# Allegro board 1103400-C000PC024-HI3521DV200-CORE-A01-pcb166.brd (continued)
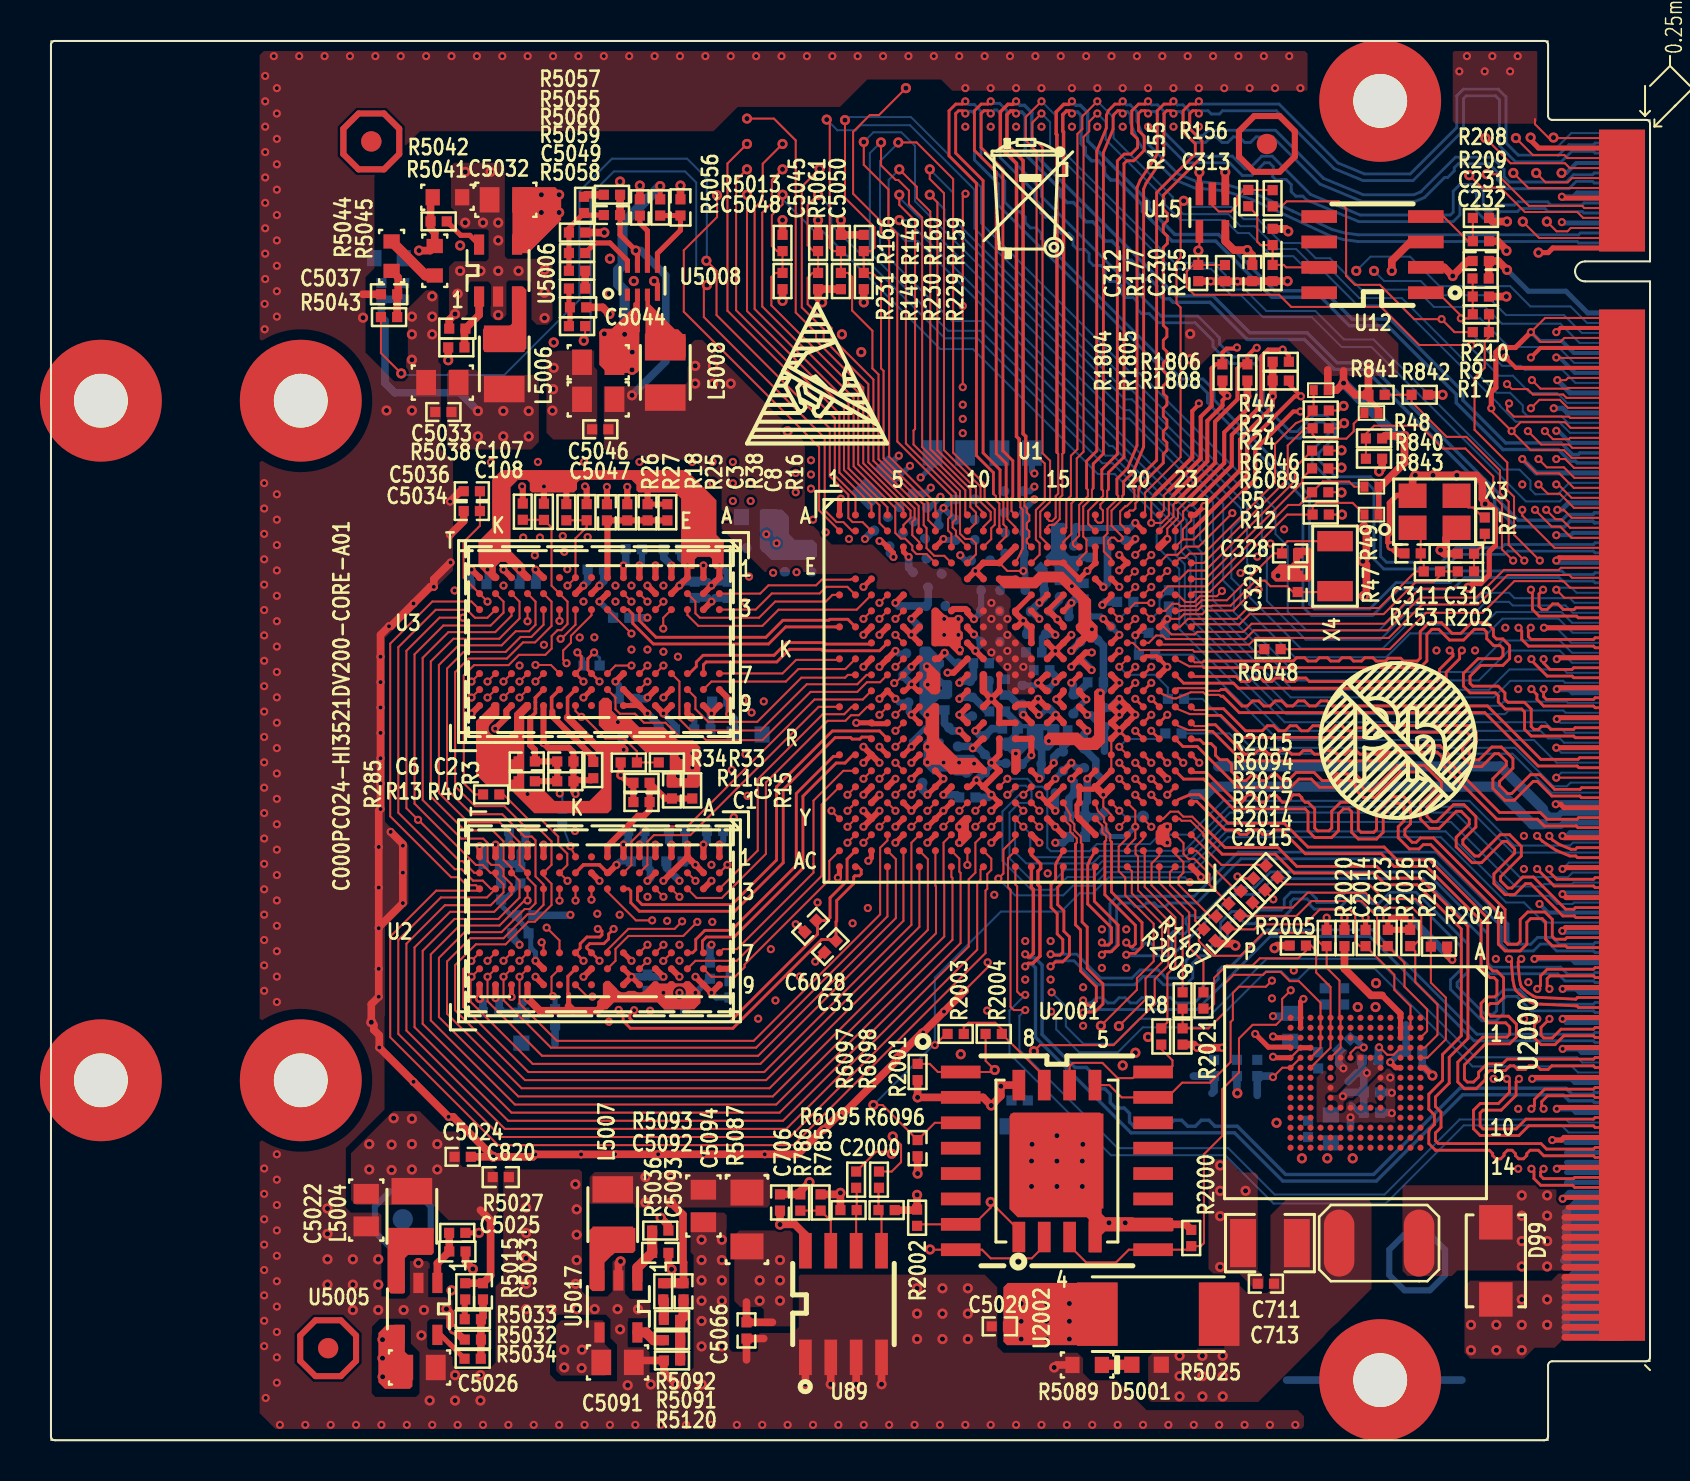
[diagram p0: board, top side]
## Routing (per net, layer and track width the routed paths; a pad name or vN(x,y) marks a point on that pad's centre or on a via; arc(x,y) is an arc through that point) (continued)
USB2_2_OVRCUR: length 56.1
  TOP w0.102: v1(52.35,66.99) 51.6,66.24 51.6,65.6 51.35,65.36 51.35,49.59 51.03,49.26 51.03,47.25 50.8,47.02 50.8,45.64 U1.B15
  BOTTOM w0.102: U102.47 75.91,50.9 75.58,51.23 73.88,51.23 73.63,51.47 73.63,51.77 73,52.41 72.32,52.41 67.58,57.15 65.46,57.15 63.86,58.74 63.15,58.74 62.29,59.6 61.38,59.6 60.24,60.74 59.51,60.74 58.91,61.34 56.65,61.34 56.12,61.87 56.12,62.2 53.16,65.16 53.16,66.18 v1(52.35,66.99)
USB2_2_PWREN: length 56
  TOP w0.102: v1(52.35,66.38) 51.94,65.97 51.94,65.49 51.66,65.21 51.66,49.46 51.32,49.12 51.32,47.14 51.05,46.87 51.05,45.35 50.65,44.94 U1.C15
  BOTTOM w0.102: U102.49 76,50.4 75.44,50.96 73.28,50.96 72.49,51.75 72.49,51.78 67.5,56.78 65.38,56.78 63.77,58.39 63,58.39 62.15,59.24 61.09,59.24 59.93,60.4 59.38,60.4 58.72,61.05 56.51,61.05 55.73,61.83 55.73,62.11 52.77,65.07 52.77,65.96 v1(52.35,66.38)
VDAC_REXT: length 1.7
  TOP w0.102: U1.G18 v1(53.45,41.09)
  BOTTOM w0.102: R834.1 54.15,41.8 v1(53.45,41.09)
VGA_B: length 30.8
  TOP w0.102: U1.B22 56.25,45.67 56.64,46.06 56.64,46.47 56.95,46.77 57.07,46.77 57.15,46.84
  TOP w0.203: R1806.1 61.93,54.26 v1(61.62,54.57) 60.9,54.57 60.55,54.23 60.55,51.77 59.08,50.3 59.08,48.77 57.15,46.84 ; U102.36 73.29,53.65 v1(72.77,54.17)
  ART03 w0.203: v1(72.77,54.17) 72.65,54.29 70.03,54.29 68.69,55.63 62.68,55.63 v1(61.62,54.57)
VGA_G: length 32.2
  TOP w0.102: 56.29,46.94 56.16,46.82 56.16,46.21 55.45,45.5 U1.B21
  TOP w0.203: 56.29,46.94 58.24,48.9 58.24,50.96 59.36,52.08 59.36,53.63 59.56,53.83 R1805.1 59.85,54.25 60.26,54.66 v1(60.32,54.66) ; v1(74.04,54.17) 74.52,54.65 U102.32
  ART03 w0.203: v1(74.04,54.17) 74.04,54.49 73.53,55 73.53,55.29 72.95,55.87 71.4,55.87 70.71,56.57 61.94,56.57 60.73,55.36 60.73,55.18 60.32,54.77 v1(60.32,54.66)
VGA_HS: length 31.7
  TOP w0.102: U102.42 75.82,52.15 75.65,52.32 74.14,52.32 73.87,52.59 73.09,52.59 v1(72.85,52.84) ; U1.E20 v1(55.05,43.49)
  ART03 w0.102: v1(55.05,43.49) 55.16,43.49 55.68,44.02 56.66,44.02 58.57,45.93 58.57,46.64 61.65,49.72 61.65,52.49 63.63,54.47 68.25,54.47 69.8,52.92 72.77,52.92 v1(72.85,52.84)
VGA_R: length 32.4
  TOP w0.102: 55.95,47.54 55.68,47.27 55.68,46.52 U1.A21
  TOP w0.203: v1(75.31,55.44) 75.52,55.65 U102.28 ; 55.95,47.54 57.52,49.12 57.52,51.21 58.06,51.75 58.06,53.63 58.27,53.83 R1804.1 58.61,54.42 58.81,54.62 59.28,54.62 v1(59.33,54.67)
  ART03 w0.203: v1(75.31,55.44) 73.05,57.7 72.1,57.7 71.9,57.51 61.51,57.51 59.38,55.38 59.38,54.72 v1(59.33,54.67)
VGA_VS: length 32.7
  TOP w0.102: v1(74.09,53.04) 74.52,52.61 75.87,52.61 75.91,52.65 U102.40 ; U1.E19 v1(54.22,43.47)
  ART03 w0.102: v1(54.22,43.47) 54.65,43.9 55.21,43.9 55.82,44.51 56.49,44.51 58.14,46.16 58.14,46.69 60.71,49.26 60.71,52.46 61.49,53.25 61.8,53.25 63.37,54.82 68.33,54.82 69.85,53.3 73.38,53.3 73.64,53.04 v1(74.09,53.04)
VI2_CLK: length 35.8
  TOP w0.142: U102.152 75.87,24.65 75.78,24.73 75.11,24.73 74.78,25.07 74.78,25.92 74.6,26.1 74.02,26.1 73.84,25.91 73.84,24.82 73.5,24.48 72.75,24.48 72.41,24.82 72.41,26.41 69.03,29.8 68.66,29.8 68.44,29.58 67.96,29.58 67.4,30.14 67.4,30.69 67.69,30.98 67.69,31.72 67.55,31.86 67.23,31.86 66.65,31.29 66.65,30.42 66.31,30.08 65.41,30.08 65.07,30.42 65.07,31.44 64.93,31.59 64.66,31.59 64.41,31.34 64.41,30.49 64.07,30.16 63.23,30.16 62.89,30.49 62.89,31.44 62.75,31.59 59.16,31.59 57.67,33.08 56.66,33.08 U1.U22
VI2_DATA3: length 36.1
  TOP w0.142: U1.R23 57.1,35.04 57.49,35.04 57.68,34.85 58.04,34.85 58.26,34.63 58.26,34.27 58.48,34.05 58.85,34.05 59.07,33.83 59.07,33.46 59.53,33 59.79,33 60.06,33.27 60.26,33.27 60.53,33 60.78,33 61.1,33.32 61.3,33.32 61.62,33 61.89,33 62.3,33.41 63.19,33.41 63.6,33 64.01,33 64.34,33.34 65.25,33.34 65.58,33 65.58,32.7 65.79,32.5 66.1,32.5 67.38,33.77 68.72,33.77 69.56,32.92 69.56,32.4 68.84,31.68 68.84,31.22 69.11,30.95 69.31,30.95 70.17,31.8 70.69,31.8 71.29,31.2 71.29,30.68 70.64,30.03 70.64,29.83 71.23,29.23 71.44,29.23 72.5,30.3 72.98,30.3 73.56,29.71 73.56,29.23 72.52,28.2 72.52,27.99 72.89,27.63 73.09,27.63 73.64,28.18 74.17,28.18 75.78,26.57 76.19,26.57 76.27,26.65 U102.144
VI2_DATA4: length 36.2
  TOP w0.142: U102.146 76.3,26.15 76.21,26.23 75.64,26.23 74.03,27.85 73.77,27.85 73.22,27.3 72.75,27.3 72.19,27.86 72.19,28.33 73.23,29.37 73.23,29.57 72.84,29.96 72.64,29.96 71.57,28.9 71.1,28.9 70.3,29.69 70.3,30.17 70.95,30.82 70.95,31.07 70.55,31.47 70.31,31.47 69.45,30.61 68.98,30.61 68.51,31.08 68.51,31.82 69.23,32.54 69.23,32.78 68.58,33.44 67.51,33.44 66.24,32.16 65.65,32.16 65.25,32.56 65.25,32.86 65.11,33 64.48,33 64.15,32.67 63.46,32.67 63.05,33.08 62.43,33.08 62.02,32.67 59.39,32.67 57.35,34.71 56.63,34.71 U1.R22
VI2_DATA7: length 35.9
  TOP w0.142: U1.U23 57.13,33.41 57.81,33.41 59.3,31.92 59.57,31.92 59.74,32.09 59.74,32.15 59.88,32.29 60.16,32.29 60.3,32.15 60.3,32.09 60.47,31.92 60.71,31.92 60.87,32.09 60.87,32.12 61.02,32.27 61.3,32.27 61.44,32.12 61.44,32.09 61.61,31.92 61.85,31.92 62.01,32.09 62.01,32.15 62.15,32.29 62.44,32.29 62.58,32.15 62.58,32.09 62.75,31.92 62.89,31.92 63.22,31.58 63.22,30.63 63.37,30.49 63.94,30.49 64.08,30.63 64.08,31.47 64.52,31.92 65.07,31.92 65.4,31.58 65.4,30.55 65.55,30.41 66.18,30.41 66.32,30.55 66.32,31.42 67.09,32.19 67.68,32.19 68.02,31.86 68.02,30.84 67.73,30.56 67.73,30.28 68.1,29.92 68.3,29.92 68.52,30.13 69.16,30.13 72.75,26.55 72.75,24.96 72.89,24.82 73.36,24.82 73.5,24.96 73.5,26.05 73.88,26.43 74.74,26.43 75.11,26.06 75.11,25.21 75.25,25.07 75.76,25.07 75.84,25.15 U102.150
VI3_CLK: length 39.3
  TOP w0.142: v1(74.68,13.58) 74.53,13.43 74.53,13.23 74.67,13.09 76.17,13.09 76.23,13.15 U102.198 ; v1(54.25,33.09) U1.V20
  ART03 w0.102: v1(54.25,33.09) 53.97,32.81 53.97,32.57 53.82,32.42 53.82,32.02 54.48,31.35 56.46,31.35 56.69,31.12 57.42,31.12 57.48,31.18 57.51,31.18
  ART03 w0.114: v1(74.68,13.58) 74.55,13.71 74.55,13.95 73.89,14.61 73.15,14.61 72.96,14.8 72.96,15.11 72.79,15.28 72.48,15.28 72.31,15.45 72.31,15.76 72.14,15.93 71.83,15.93 70.59,17.17 70.59,19.46 67.41,22.64 67.41,24.65 67.6,24.84 67.6,26.46 66.92,27.14 62.48,27.14 60.07,29.55 59.51,29.55 57.87,31.18 57.51,31.18
VI3_DATA0: length 39.3
  TOP w0.142: U1.V19 v1(53.45,33.09) ; v1(74.07,13.58) 74.19,13.45 74.19,13.09 74.53,12.76 76.12,12.76 76.23,12.65 U102.200
  ART03 w0.102: v1(53.45,33.09) 53.73,32.81 53.73,32.67 53.58,32.52 53.58,31.92 54.38,31.11 56.36,31.11 56.59,30.88 57.42,30.88
  ART03 w0.114: 57.42,30.88 57.45,30.88 57.51,30.83 57.73,30.83 59.36,29.19 59.92,29.19 62.34,26.78 66.78,26.78 67.25,26.31 67.25,24.99 67.06,24.8 67.06,22.49 70.23,19.31 70.23,17.03 73,14.26 73.74,14.26 74.19,13.81 74.19,13.71 v1(74.07,13.58)
VI3_DATA7: length 39.1
  TOP w0.102: U1.Y21 55.65,31.09 56,31.45 56.4,31.45 56.65,31.2 57.1,31.2 57.81,30.49 57.9,30.49
  TOP w0.142: U102.192 77.26,14.65 77.17,14.57 74.82,14.57 74.55,14.84 69.41,14.84 69.27,14.98 69.27,15.37 69.27,15.38 69.54,15.66 69.54,16.42 69.27,16.7 69.27,17.18 69.95,17.87 69.95,19.16 70.89,20.1 70.89,25.72 68.48,28.13 66.9,28.13 66.32,28.71 62.33,28.71 61.39,29.65 58.74,29.65 57.9,30.49
VI_AD_REFCLK0/MIPIRX_CMOS_MODE_: length 23.8
  BOTTOM w0.102: U102.119 76.02,32.9 75.84,32.72 75.16,32.72 73.24,34.64 60.06,34.64 57.61,37.09 R6049.1
VI_AD_REFCLK1/MIPIRX_CMOS_MODE_: length 23.3
  BOTTOM w0.102: R6050.2 58.96,35.37 59.97,34.35 73.12,34.35 75.07,32.4 U102.121
WDG_RSTN_RST: length 13.8
  TOP w0.102: U12.1 69.39,57.41 70.54,56.27 v1(70.54,56.13) 70.93,56.13 R9.2 71.13,56.34 R210.2 71.13,58.11 C232.1
  BOTTOM w0.102: v1(70.54,56.13) 71.5,56.13 72.93,54.7 75.41,54.7 76.21,53.9 U102.35
XIN: length 16
  TOP w0.102: U1.H22 56.48,40.69 56.88,41.09 59.32,41.09 59.87,41.64 66.45,41.64 68.27,43.47 R153.1 68.68,43.87 68.53,44.03 C311.1 68.53,45.25 X3.1
XOUT: length 14.6
  TOP w0.102: R202.1 R153.2 69.49,43.27 69.16,42.93 68.27,42.93 66.67,41.33 59.97,41.33 59.46,40.83 57.18,40.83 U1.H23
$4N7983: length 4.6
  TOP w0.178: 25.09,36.46 25.05,36.5 25.05,37.16 U3.L8
  TOP w0.305: 25.09,36.46 25.09,36.22 27.13,34.18 R3.2
$4N7984: length 2.3
  TOP w0.102: U2.L8 25.04,23.19 25.04,22.29 v1(25.11,22.22)
  BOTTOM w0.254: v1(25.11,22.22) 25.22,22.11 R4.2
$17N809: length 1.9
  TOP w0.102: U2000.H5 65.02,19.38 65.29,19.65 v1(65.68,19.65)
  BOTTOM w0.305: v1(65.68,19.65) 65.24,20.08 R2019.1
$22N821: length 6.1
  TOP w0.102: R2003.1 45.67,20.66 45.9,20.89 47.24,20.89 47.57,20.56 R2004.1 49.69,18.21 U2002.7
$32N1479: length 1.5
  TOP w0.508: D5001.2 52.59,3.78 R5089.1
$37N240: length 13.6
  TOP w0.102: R48.2 65.18,50.86 65.18,50.48 64.81,50.11 63.33,50.11 63.12,50.33 R24.2 62.74,50.63 61.87,49.77 61.87,48.09 57.68,43.89 U1.D23
$37N244: length 12.7
  TOP w0.102: R49.2 65.2,47.71 64.95,47.96 63.63,47.96 R5.2 62.46,46.8 61.9,46.8 57.83,42.72 55.88,42.72 U1.F21
$37N699: length 12.2
  TOP w0.102: U1.D22 56.5,44.14 56.73,44.14 56.95,44.36 57.68,44.36 61.24,47.91 61.24,49.84 62.28,50.89 62.76,51.08 63.12,51.44 R23.2 63.17,51.57 R44.2
$37N701: length 11
  TOP w0.102: U1.F23 57.2,42.45 57.98,42.45 61.85,46.31 R12.2 63.12,46.69 63.32,46.9 65.13,46.9 R47.2
N04474: length 3.1
  TOP w0.102: U1.T19 v1(53.45,34.69)
  BOTTOM w0.102: v1(53.45,34.69) 53.84,35.09 55.47,35.09 R6050.1
N04522: length 4
  TOP w0.102: U1.K19 v1(53.45,38.69)
  BOTTOM w0.102: R6049.2 55.88,37.65 55.23,38.3 53.84,38.3 v1(53.45,38.69)
N15763: length 4.4
  TOP w0.102: R156.2 61.11,62.55 R155.2 59.67,62.55 59.36,62.24 59.36,61.81 59.03,61.48 58.42,61.48 58.1,61.79 U15.2
N15773: length 4
  TOP w0.102: R208.1 R209.2 70.9,59.99 69.67,61.22 U12.4
N15781: length 6.2
  TOP w0.102: U12.7 61.8,58.68 61.68,58.8 R255.1 C313.1 60.51,59.8 60.35,59.96 60.35,61.29 R155.1
N17800: length 1.9
  TOP w0.102: X3.3 70.91,46.67 71.15,46.67 71.65,46.17 R7.1
N17808: length 2.1
  TOP w0.102: R202.2 C310.1 71.73,44.9 R7.2
N17822: length 7.2
  TOP w0.102: U1.AC21 55.45,27.9 56.95,26.4 56.95,24.65 57.66,23.94 R1407.1
N17826: length 4.6
  TOP w0.254: U1.U17 v1(51.85,33.09)
  BOTTOM w0.381: C885.1 52.49,31.2 R6090.2 ; R6090.2 51.74,31.86 51.85,31.97 v1(51.85,33.09) ; R6090.2 R6091.2
N17840: length 8.4
  TOP w0.102: U1.Y19 53.85,31.09 53.45,30.69 v1(53.45,30.68) ; v1(59.36,28.2) 59.61,28.2 59.71,28.11 R6094.1
  ART03 w0.102: v1(59.36,28.2) 58.17,28.2 56.95,29.42 55.52,29.42 54.78,30.16 53.98,30.16 53.46,30.68 v1(53.45,30.68)
N27087: length 2.7
  TOP w0.254: C5045.1 29.46,60.89 29.84,60.51 U5008.6
N27137: length 1.9
  TOP w0.254: R5058.2 25.97,55.79 C5049.1 25.92,56.73 R5059.1
N27145: length 0.9
  TOP w0.381: R5060.1 R5059.2
N27149: length 4.2
  TOP w0.254: C5048.2 26.77,61.3 R5056.2 25.92,60.65 R5057.1 R5055.2 R5060.2
N27165: length 2.5
  TOP w0.381: R5044.1 17.37,58.17 17.37,57.39 C5037.1 R5043.2
N27173: length 3
  TOP w0.254: U5008.8 28.84,59.02 27.96,59.9 27.23,59.9 R5055.1
N27181: length 4.1
  TOP w0.254: U5008.5 30.34,59.38 31.5,60.54 C5050.1 R5061.2
N27189: length 2.1
  TOP w0.254: U5006.5 20.96,60.28 20.5,60.28 R5041.1
N27197: length 1
  TOP w0.381: R5056.1 26.77,62.32 R5013.2
N27205: length 2.8
  TOP w0.381: U5006.1 21.42,56.3 C5033.1 20.69,55.57 R5038.2
N27213: length 2.9
  TOP w0.508: R5045.1 18.74,58.28 R5044.2
N27221: length 3.5
  TOP w0.381: v2(18.41,59.52) 18.97,59.52 R5045.2 19.2,60.41 18.99,60.62 R5041.2 18.99,62.08 R5042.1
N28749: length 1
  TOP w0.305: R5015.2 20.7,7.02 R5033.1
N28833: length 3
  TOP w0.381: C5023.2 21.61,6.16 R5033.2 R5032.1 21.51,4.09 R5034.2
N28849: length 2.8
  TOP w0.381: U5005.1 19.33,8.85 C5025.1 19.93,10.37 R5027.2
N28857: length 1.9
  TOP w0.254: U5005.5 19.5,5.27 R5034.1
N753510: length 1.5
  TOP w0.508: U5017.5 29.77,5.39 30.15,5.01 R5091.1
N753524: length 2.8
  TOP w0.508: U5017.1 29.34,8.64 C5092.1 R5093.2
N753544: length 3.1
  TOP w0.508: R5120.1 R5091.2 R5092.2 31.65,6.19 C5093.2
N753566: length 1
  TOP w0.508: R5036.2 30.66,7.01 R5092.1
N9508935: length 3.2
  TOP w0.102: U89.7 39.01,10.98 R785.2 R786.1

## Copper pours and planes (outline as drawn; the poured copper is in the pictures)
1V8 on TOP: 27.2,11.64 35.84,11.64 35.97,11.77 35.97,13.29 35.84,13.42 27.2,13.42 26.95,13.17 26.95,11.9
1V8 on BOTTOM: 58.7,16.26 58.7,17.48 58.57,17.61 57.68,17.61 57.56,17.74 57.56,18.5 55.24,20.81 55.04,20.81 53.21,18.98 53.21,18.8 55.8,16.21 58.65,16.21
1V8 on ART03: 29.21,3.67 29.21,13.24 29.34,13.37 34.21,13.37 34.34,13.24 34.34,6.87 34.82,6.38 40.77,6.38 43.71,9.33 44.42,9.33 46.27,11.17 46.82,11.17 48.28,12.63 48.28,14.92 54,20.63 54.97,20.63 55.14,20.46 55.14,11.36 51.38,7.6 47.8,7.6 46.79,6.59 46.79,4.25 45.9,3.36 29.51,3.36
1V8_SOC on TOP: 37.11,10.37 36.98,10.5 34.44,10.5 34.19,10.25 34.19,6.97 34.49,6.66 35.53,6.66 35.66,6.54 35.66,5.75 35.71,5.7 37.01,5.7 37.11,5.8
1V8_SOC on ART03: 37.11,6.87 37.11,9.46 36.98,9.58 35.1,9.58 34.98,9.46 34.98,6.92 35.18,6.71 36.96,6.71
3V3 on TOP (solid shape): 25.53,62.39 25.53,61.05 23.88,59.39 23.09,59.39 23.09,62.39 23.39,62.7 25.22,62.7
3V3 on TOP (solid shape): 17.7,5.75 17.7,4.43 18.08,4.05 18.08,2.7 17.96,2.57 16.71,2.57 16.38,2.9 16.38,5.37 16.79,5.77 17.68,5.77
3V3 on TOP (solid shape): 29.46,55.46 29.44,55.43 29.44,53.53 29.31,53.4 27.84,53.4 27.43,53.81 27.43,55.46 27.58,55.61 28.07,55.61 29.13,56.68 29.13,56.88 29.23,56.98 29.23,57.54 29.26,57.57 29.46,57.57
3V3 on TOP: 66.38,18.38 66.32,18.34 66.27,18.28 65.13,17.13 64.9,17.13 64.67,16.9 64.67,16.67 64.54,16.54 64.46,16.54 64.36,16.65 64.36,16.87 64.24,17 63.93,17 63.91,17.03 63.91,17.18 64.01,17.28 64.36,17.28 65.89,18.8 65.89,19.21 66.09,19.21 66.14,19.16 66.14,18.93 66.29,18.78 66.52,18.78 66.55,18.75 66.6,18.75 66.6,18.55 66.55,18.5 66.5,18.5
3V3 on TOP: 25.53,3.23 27.74,3.23 27.99,3.49 27.99,4.53 27.71,4.81 27.71,5.88 27.58,6 25.53,6 25.27,5.75 25.27,3.49
3V3 on TOP: 54.89,2.07 54.89,4.15 55.27,4.53 57.3,4.53 57.43,4.66 57.43,7.78 57.53,7.88 59.33,7.88 59.84,7.37 60.86,7.37 61.01,7.53 61.01,7.76 61,7.77 61,8.76 61.01,8.77 61.01,11.26 61.82,12.07 65.86,12.07 66.06,11.87 66.06,7.58 60.4,1.91 55.04,1.91
3V3 on BOTTOM: 62.51,15.83 64.41,15.83 64.54,15.96 64.54,16.34 64.69,16.49 65.02,16.49 65.15,16.62 65.15,18.32 64.36,18.32 63.93,18.75 61.49,18.75 61.37,18.63 61.37,16.98
3V3 on BOTTOM: 46.05,14.79 48.11,14.79 48.23,14.92 48.23,17.79 48.11,17.92 45.77,17.92 45.64,17.79 45.64,15.2
3V3 on ART04: 16.53,52.31 18.08,50.76 42.72,50.76 43.61,49.87 43.61,44.66 44.47,43.8 44.47,35.01 44.98,34.5 46.63,34.5 47.01,34.12 47.01,32.47 47.78,31.71 47.78,25.05 38.71,15.99 26.62,15.99 20.24,9.61 19.3,9.61 19.17,9.74 16.41,9.81 13.39,9.81 12.93,9.36 12.93,1.91 13.26,1.58 58.98,1.58 68.35,10.96 74.45,10.96 74.89,11.4 74.89,65.35 74.02,66.23 74.02,67.65 73.76,67.9 69.65,67.9 69.01,68.54 12.34,68.54 12.17,68.36 12.17,58.05 16.53,53.68
3V3_SOC on TOP (solid shape): 53.34,7.79 53.34,4.83 53.26,4.76 47.83,4.76 47.65,4.94 47.65,7.65 47.87,7.87 53.26,7.87
3V3_SOC on TOP (solid shape): 52.71,37.47 52.71,36.97 52.73,36.95 52.73,34.91 52.36,34.54 51.44,34.54 51.19,34.78 49.82,34.78 49.69,34.91 49.69,35.2 49.9,35.41 51.4,35.41 51.66,35.15 52.06,35.15 52.19,35.27 52.19,37.46 52.34,37.61 52.57,37.61
3V3_SOC on TOP (solid shape): 50.61,43.46 50.63,43.46 50.64,43.45 52.04,42.05 52.04,41.05 52.36,40.73 52.36,40.51 52.36,40.51 52.36,40.15 52.12,39.91 51.92,39.91 51.29,40.54 51.29,40.63 51.27,40.65 51.27,40.77 51.41,40.9 51.41,41.98 51.32,42.06 51.26,42.13 51.19,42.18 50.9,42.47 50.86,42.51 50.82,42.55 50.46,42.91 50.45,42.92 50.43,42.92 49.64,42.92 49.62,42.92 49.61,42.91 49.34,42.64 49.33,42.63 49.31,42.62 47.69,42.62 47.66,42.64 47.28,43.03 47.28,43.14 47.28,43.16 47.29,43.18 47.38,43.25 48.34,43.25 48.36,43.25 48.38,43.23 48.42,43.19 48.44,43.18 48.46,43.18 49.11,43.18 49.13,43.18 49.14,43.19 49.4,43.45 49.42,43.46 49.44,43.46
3V3_SOC on BOTTOM (solid shape): 50.77,45.82 50.77,44.46 50.98,44.25 51.33,44.25 51.43,44.15 51.43,44.15 51.52,44.07 51.52,43.79 51.44,43.72 51.44,43.54 51.24,43.34 51.24,42.64 51.24,42.63 51.14,42.53 51,42.53 50.75,42.78 50.24,42.78 50.21,42.82 50.21,43.69 49.78,44.11 49.78,44.22 50.03,44.46 50.03,45.85 50.08,45.9 50.69,45.9
3V3_SOC on BOTTOM (solid shape): 50.45,35.76 50.45,35.22 50.44,35.21 50.44,35 49.95,34.5 49.34,34.5 49.21,34.63 48.88,34.63 48.4,34.15 48.2,34.15 47.87,34.48 47.71,34.48 47.49,34.71 47.49,34.95 47.61,35.06 50.19,35.06 50.19,35.52 49.66,35.52 49.66,35.06 47.61,35.06 47.71,35.16 47.9,35.16 47.9,35.16 48.82,35.16 48.82,35.62 48.44,35.62 48.44,35.16 47.9,35.16 48.08,35.34 48.08,35.69 48.23,35.84 50.37,35.84
3V3_SOC on TOP: 58.8,55.08 61.87,55.08 63.7,53.25 67.21,53.25 67.41,53.45 67.41,54.87 65.99,56.3 56.72,56.3 56.72,53.93 57.02,53.63 57.35,53.63
3V3_SOC on ART03: 48.5,33.68 48.03,34.15 48.03,35.13 48.42,35.52 50.57,35.52 50.88,35.82 50.88,37.5 50.97,37.58 50.99,37.58 51.18,37.6 51.32,37.73 51.37,37.9 51.31,38.08 51.31,38.42 51.41,38.52 51.41,38.87 51.22,39.07 51.06,39.07 51.04,39.07 50.8,39.32 50.8,39.56 51.46,40.22 51.46,40.65 51.46,40.73 50.24,41.94 50.24,45.91 50.88,46.54 50.88,54.97 49.15,56.7 35.15,56.7 34.49,57.36 34.49,59.8 35.41,60.71 53.95,60.71 57.25,57.41 57.25,54.01 55.59,52.35 55.59,47.93 53.19,45.53 53.19,45.42 53.11,45.35 53.11,30.31 53.87,29.55 54.74,29.55 57.04,27.25 58.86,27.25 60.73,25.38 60.73,22.95 64.41,19.26 64.41,11.31 56.29,3.18 47.4,3.18 47.4,6.31 48.16,7.07 51.33,7.07 55.4,11.13 55.4,20.61 53.73,22.27 51.96,22.27 51.59,22.64 51.59,26.04 50.29,27.34 50.29,30.62 49.78,31.12 49.78,31.61 49.68,31.71 49.07,31.71 48.97,31.81 48.97,33.21
AVDDIO3318_MIPIRX0 on BOTTOM: 53.03,33.28 59.31,33.28 59.61,33.59 59.61,34.32 59.36,34.58 53.39,34.58 53.16,34.81 53.16,35.01 53.03,35.14 52.27,35.14 52.25,35.11 52.25,34.48 52.58,34.15 52.58,33.74
AVDDIO3318_MIPIRX1 on BOTTOM: 52.53,31.66 57.28,31.66 57.4,31.78 57.4,32.72 57.28,32.85 53.26,32.85 52.88,33.23 52.53,33.23 52.12,32.83 52.12,32.06
DVDD_CORE on TOP: 48.09,37.32 47.83,37.58 47.83,38.4 47.74,38.5 47.74,38.5 46.64,39.6 46.51,39.73 46.51,39.91 46.49,39.93 46.49,40 46.48,40 46.48,40.32 46.49,40.31 46.49,40.57 46.48,40.57 46.48,40.74 46.48,40.74 46.48,41.26 45.87,41.87 44.86,41.87 44.8,41.93 44.8,41.93 44.59,42.14 43.14,42.14 42.72,42.55 41.86,42.55 41.83,42.58 41.38,42.58 41.3,42.66 41.3,43.11 41.07,43.34 38.3,43.34 38.2,43.44 35.71,43.44 33.55,45.6 33.55,47.63 32.13,49.06 28.24,49.06 27.66,49.64 27.66,52.74 30.91,52.74 30.92,52.75 31.66,52.75 31.85,52.94 31.85,53.68 31.95,53.78 31.95,54.8 32.21,55.05 32.59,55.05 37.72,49.92 37.72,46.16 39.06,44.81 41.1,44.81 41.87,44.05 41.91,43.98 41.98,43.92 41.95,43.95 43.74,43.95 44.02,43.67 45.01,43.67 45.89,42.79 45.85,42.79 47.31,42.79 48.02,42.08 48.02,41.29 48.05,41.27 48.05,41.01 47.86,40.82 47.86,40.57 48.46,39.97 48.46,39.97 49.22,39.21 49.22,38.23 49.05,38.05 49.05,37.75 49.05,37.73 49.24,37.54 49.24,37.44 49.12,37.32
DVDD_CORE on BOTTOM: 48.47,38.24 48.06,37.82 47.53,37.82 47.46,37.9 47.46,38.3 47.3,38.45 46.88,38.45 46.69,38.64 46.69,38.91 46.69,38.92 46.69,39.3 46.81,39.42 46.81,39.46 47.04,39.69 47.04,40 46.81,40.23 46.81,40.56 46.83,40.6 46.83,40.64 46.84,40.68 46.84,40.72 46.83,40.75 46.83,40.79 46.81,40.84 46.81,41.16 46.96,41.31 46.96,41.76 46.81,41.91 46.81,42.23 46.88,42.32 46.93,42.46 46.94,42.5 46.94,42.54 46.93,42.58 46.88,42.72 46.84,42.77 46.83,42.83 46.82,42.87 46.81,42.9 46.81,43.54 46.73,43.62 46.73,43.99 45.87,44.86 45.87,47.92 45.17,48.62 45.17,49.91 44.55,50.53 41.76,50.53 39.88,52.41 31.72,52.41 31.72,52.56 31.42,52.87 31.42,56.27 41.76,56.27 43.84,54.19 46,54.19 48.11,52.08 48.11,44.19 48.3,44 48.3,40.27 48.72,39.85 48.91,39.85 49.04,39.72 49.04,39.16 49.49,38.7 49.49,38.32 49.41,38.24
DVDD_CORE on ART03: 47.17,38.44 46.82,38.78 46.82,43.7 45.97,44.55 45.97,47.89 41.83,52.03 28.22,52.03 28.09,52.16 28.09,55.84 28.68,56.42 48.82,56.42 50.39,54.85 50.39,46.77 49.94,46.31 49.94,40.36 49.93,40.31 49.93,40.24 49.81,40.12 49.81,39.89 49.81,39.53 49.81,38.82 49.43,38.44
DVDD_CPU on TOP (solid shape): 44.82,41.18 45.19,41.18 45.27,41.25 45.55,41.25 45.65,41.15 45.65,41 45.5,40.85 45.5,40.54 45.62,40.41 45.62,40.11 45.52,40.01 45.52,39.73 45.62,39.63 45.62,39.32 45.57,39.27 45.39,39.27 44.94,39.73 44.12,39.73 44.05,39.8 44.05,41.53 44.15,41.63 44.36,41.63
DVDD_CPU on TOP: 24.41,53.15 24.26,53.3 21.51,53.3 21.23,53.58 19.99,53.58 19.81,53.4 19.81,49.79 20.04,49.56 24.03,49.56 24.41,49.95
DVDD_CPU on BOTTOM: 45.33,39.35 45.05,39.63 44.53,39.63 44.09,40.06 44.09,40.98 44.37,41.26 44.37,43.15 44.36,43.16 44.36,43.21 41.05,46.53 40.87,46.53 39.94,47.45 38.99,47.45 38.34,46.8 36.19,46.8 35.61,47.38 33.5,47.38 32.92,46.8 21.49,46.8 21.06,47.23 21.06,52.1 21.26,52.31 25.4,52.31 25.73,51.98 39.98,51.98 40.91,51.05 40.91,48.46 43.55,45.82 44.16,45.21 44.16,45.21 45.95,43.42 45.95,39.69 45.6,39.35
DVDD_CPU on ART03: 41.86,51.77 45.77,47.86 45.77,44.63 45.65,44.56 45.63,44.57 45.17,44.28 45.63,43.99 45.65,44 45.77,43.93 45.77,39.47 45.62,39.32 45.32,39.32 44.65,39.99 44.3,40.34 44.3,42.55 43.15,43.7 41.81,43.7 40.61,44.89 38.3,44.89 37.41,45.78 22.43,45.78 20.5,47.71 20.5,51.88 20.8,52.18 27.46,52.18 27.86,51.77
GND on TOP (solid shape): 46.05,31.16 46.05,30.99 45.92,30.86 45.92,30.53 46.06,30.39 46.06,30.2 45.55,29.69 45.35,29.69 45.23,29.81 45.23,29.97 45.38,30.13 45.38,30.43 45.24,30.57 45.24,30.82 45.69,31.27 45.94,31.27
GND on TOP (solid shape): 52.56,16.32 52.56,11.34 52.74,11.16 54.15,11.16 54.18,11.13 56.03,11.13 56.16,11.01 56.16,10.5 56.11,10.45 52.74,10.45 52.56,10.27 52.56,9.42 52.55,9.41 51.94,9.41 51.92,9.43 51.92,11.06 51.82,11.16 48.36,11.16 47.95,11.57 47.95,16.21 48.13,16.39 52.49,16.39
GND on TOP (solid shape): 63.07,44.58 63.07,43.07 62.96,42.96 61.26,42.96 61.05,43.17 61.05,43.32 62.79,43.32 62.79,43.67 62.51,43.67 62.51,43.32 61.05,43.32 61.05,43.42 61.46,43.82 61.79,43.82 61.79,43.82 62.03,43.82 62.13,43.93 62.81,43.93 62.81,44.28 62.48,44.28 62.48,43.93 62.13,43.93 62.14,43.94 62.14,44.57 62.22,44.66 62.99,44.66
GND on TOP: 25.12,50.07 27.2,50.07 27.33,50.2 27.33,54.39 27.2,54.52 25.12,54.52 24.79,54.19 24.79,50.4
GND on TOP: 58.14,8.34 59.44,8.34 60.15,7.63 60.65,7.63 60.68,7.65 60.68,8.19 60.38,8.49 60.38,13.27 60.25,13.39 59.54,13.39 58.88,14.06 58.06,14.06 57.91,13.9 57.91,8.57
GND on TOP: 11.23,0.57 10.44,1.36 10.44,69.3 10.79,69.66 62.59,69.66 62.86,69.38 62.86,67.57 62.81,67.52 45.08,67.52 44.53,68.08 40.84,68.08 39.47,66.71 34.37,66.71 33.15,65.49 18.47,65.49 16.18,63.2 16.18,58.63 15.73,58.19 15.73,54.43 17.18,52.99 17.68,52.99 17.77,53.07 17.77,54.1 17.86,54.19 17.86,56.63 18.77,57.54 19.15,57.54 19.38,57.31 19.38,53.96 19.51,53.83 19.51,51.06 19.49,51.05 19.49,49.6 20.12,48.98 20.12,43.52 19.04,42.44 19.01,42.44 16.71,40.14 16.71,30.95 17.88,29.78 17.88,26.86 16.71,25.69 16.71,21.19 16.69,21.22 16.69,16.54 14.76,14.61 14.76,11.64 15.01,11.39 16.41,11.39 16.53,11.26 16.53,7.2 17.8,7.2 17.8,8.85 17.93,8.98 18.82,8.98 18.95,8.85 18.95,7.2 19.96,7.2 20.09,7.07 20.09,6.18 19.96,6.05 18.95,6.05 18.82,5.93 18.82,4.66 18.95,4.53 19.71,4.53 20.09,4.15 20.09,3.77 20.34,3.51 21.87,3.51 22.25,3.9 22.25,7.71 22.63,8.09 22.63,13.42 22.76,13.55 26.44,13.55 26.57,13.42 26.57,7.45 26.82,7.2 27.84,7.2 28.09,7.45 28.09,8.98 28.22,9.1 28.73,9.1 28.73,7.32 28.98,7.07 29.74,7.07 30,6.82 30,6.31 29.74,6.05 28.98,6.05 28.85,5.93 28.85,4.71 28.9,4.66 29.69,4.66 29.95,4.4 29.95,3.44 30,3.39 31.9,3.39 32.16,3.64 32.16,9.25 32,9.41 32,11.34 32.05,11.39 33.68,11.39 33.81,11.26 33.81,8.87 33.93,8.75 33.93,4.58 34.09,4.43 35.31,4.43 35.38,4.5 35.38,5.27 35.48,5.37 37.11,5.37 37.41,5.67 37.41,8.21 37.49,8.29 46.71,8.29 47.35,7.65 47.35,4.68 47.65,4.38 51.36,4.38 51.64,4.1 51.64,3.36 51.99,3.01 53.31,3.01 54.81,1.51 62.38,1.51 62.69,1.2 62.69,0.69 62.56,0.57 ; 2 cut-outs
GND on TOP: 22.71,63.66 22.45,63.92 20.17,63.92 20.01,63.76 20.01,61.68 20.29,61.4 20.29,60.89 20.6,60.59 21.82,60.59 21.89,60.51 21.89,59.11 21.77,58.99 20.19,58.99 19.91,58.71 19.91,56.3 20.07,56.14 20.65,56.14 20.85,56.35 20.85,57.82 21.01,57.97 21.87,57.97 22.02,57.82 22.02,56.78 22,56.75 22,56.27 22.22,56.04 22.53,56.04 22.78,56.3 22.78,57.92 22.88,58.02 23.9,58.02 24.03,57.9 24.03,56.09 24.31,55.81 24.84,55.81 25.09,56.07 25.09,58.94 24.92,59.11 22.83,59.11 22.71,59.24
GND on TOP: 63.81,16.94 63.82,16.83 63.8,16.82 63.83,16.43 64.21,16.44 64.32,16.44 64.63,16.38 64.8,16.66 64.8,16.85 64.95,17 65.18,17 66.37,18.2 66.38,18.22 66.41,18.25 66.44,18.27 66.46,18.28 66.54,18.36 66.55,18.36 66.69,18.42 66.78,18.54 66.78,18.56 66.88,18.6 66.97,18.58 67.17,18.38 67.19,18.38 67.26,18.28 67.24,18.14 67.26,18.03 67.26,17.75 67.24,17.64 67.26,17.53 67.26,17.25 67.24,17.14 67.26,17.03 67.26,16.75 67.24,16.64 67.26,16.53 67.26,16.25 67.24,16.14 67.26,16.03 67.26,15.88 67.15,15.88 67.02,15.92 66.88,15.88 66.65,15.88 66.52,15.92 66.38,15.88 66.15,15.88 66.02,15.92 65.88,15.88 65.65,15.88 65.52,15.92 65.38,15.88 65.15,15.88 65.02,15.92 64.88,15.88 64.65,15.88 64.52,15.92 64.38,15.88 64.15,15.88 64.02,15.92 63.88,15.88 63.65,15.88 63.52,15.92 63.38,15.88 63.32,15.94 63.32,18.14 64.3,19.12 64.3,19.15 64.69,19.54 65.48,19.54 65.68,19.34 65.68,18.78 64.31,17.41 64.09,17.41 64.08,17.41 63.79,17.31 63.77,17 63.78,16.97
GND on TOP: 76,8.21 75.87,8.34 75.41,8.34 75.06,7.98 70.99,7.98 70.71,7.71 70.71,4.38 71.01,4.08 73.68,4.08 74.23,4.63 75.23,4.63 76,5.39
GND on BOTTOM: 61.14,13.78 65.15,13.78 65.43,14.06 65.43,15.66 65.38,15.71 64.79,15.71 64.54,15.45 62.38,15.45 60.88,16.95 60.88,17.48 60.73,17.64 59.11,17.64 59,17.53 59,15.91
GND on BOTTOM: 61.11,20.91 62.33,20.91 62.89,21.47 62.89,21.9 63.4,22.41 66.65,22.41 66.7,22.46 66.7,23.33 66.65,23.38 62.94,23.38 62.33,22.77 60.43,22.77 59.59,21.93 59.59,20.28 59.74,20.13 60.32,20.13
GND on BOTTOM: 11.23,0.57 10.44,1.36 10.44,69.3 10.64,69.5 63.19,69.5 63.19,67.78 62.86,67.45 45.24,67.45 44.65,66.86 39.06,66.86 37.31,65.11 27.76,65.11 26.11,63.46 26.11,57.24 24.49,55.61 19.79,55.61 19.79,59.7 19.18,60.31 15.42,60.31 15.11,60 15.11,57.01 16.2,55.91 16.2,52.94 17.37,51.77 19.66,51.77 21.03,50.4 21.03,46.59 21.08,46.54 33.04,46.54 33.68,47.18 35.15,47.18 35.28,47.05 38.94,47.05 41.31,44.67 41.31,43.91 41.88,43.34 41.88,18.22 40.82,17.15 40.82,16.44 41.12,16.14 44.3,16.14 45.95,14.49 48.28,14.49 48.59,14.79 48.59,17.28 48.62,17.31 49.17,17.31 57.05,9.43 65.79,9.43 71.27,14.92 74.75,14.92 75.08,15.25 75.74,15.25 76.07,14.92 76.07,12.15 75.87,11.95 75.51,11.95 75.41,12.05 75.41,12.56 75.18,12.79 72.92,12.79 72.59,12.45 72.59,8.14 72.64,8.09 75.74,8.09 75.89,7.93 75.89,5.14 75.41,4.66 75.26,4.66 75.23,4.63 74.5,4.63 74.22,4.35 74.22,0.95 73.84,0.57 ; 19 cut-outs
